# KiCad board st251_21020.kicad_pcb (continued)
## Routing (per net, layer and track width the routed paths; a pad name or vN(x,y) marks a point on that pad's centre or on a via; arc(x,y) is an arc through that point) (continued)
  Top w0.254: 3A1.31 13.59,41.66 17.14,38.1 23.62,38.1 24.38,38.86 v1(25.27,38.86) ; v1(26.03,26.29) 27.94,26.29 28.57,26.92 2B1.39
  Bottom w0.254: v1(26.03,26.29) 27.05,27.31 27.05,28.45 26.42,29.08 26.42,37.72 v1(25.27,38.86)
/Digital/PHI2: length 92.9
  Top w0.254: 2D1.6 59.82,31.12 v1(59.44,30.73) 60.32,29.84 62.1,29.84 62.48,30.23 68.71,30.23 69.6,29.34 71.88,29.34 72.01,29.21 2E1.9 ; 3A1.4 27.56,54.61 30.23,57.28 34.42,57.28 36.7,54.99 v1(36.7,50.8) 37.72,50.8 40.64,47.88 57.79,47.88 59.82,45.85 v1(59.82,45.47) ; 1D1.3 63.75,22.48 61.98,24.26 v1(61.34,24.26)
  Bottom w0.254: v1(61.34,24.26) 61.98,24.89 61.98,27.81 59.44,30.35 v1(59.44,30.73) 58.93,31.24 58.93,38.61 61.72,41.4 61.72,43.18 59.82,45.09 v1(59.82,45.47) ; R80.2 35.94,46.92 35.94,50.04 v1(36.7,50.8)
/Digital/R/~{W}: length 90.9
  Top w0.254: 2E1.10 73.28,29.11 72.59,29.8 69.9,29.8 68.96,30.73 v1(61.09,30.73) 2D1.5 ; v1(60.83,49.15) 60.58,49.15 59.18,50.55 41.78,50.55 39.62,52.71 39.62,56.26 34.54,61.34 26.67,61.34 v1(26.54,61.21) ; v1(23.11,56.13) 21.08,56.13 19.94,57.28 3A1.10
  Bottom w0.254: v1(26.54,61.21) 25.15,61.21 24,60.07 24,57.02 v1(23.11,56.13) ; v1(60.83,49.15) 60.83,45.21 62.48,43.56 62.48,41.02 59.82,38.35 59.82,32 v1(61.09,30.73)
/Digital/~{0100}: length 104.5
  Top w0.254: v1(50.42,27.31) 52.58,27.31 54.61,29.34 64.64,29.34 64.9,29.08 2D1.15 ; v1(49.02,110.74) 49.4,110.74 6C1.11
  Bottom w0.254: v1(49.02,110.74) 49.02,108.97 49.66,108.33 49.66,99.06 48.13,97.54 48.13,88.39 50.29,86.23 50.29,40.13 51.56,38.86 51.56,28.45 v1(50.42,27.31)
/Digital/~{0101}: length 11.1
  Top w0.254: v1(59.82,23.88) 61.21,22.48 1D1.5 ; v1(64.13,25.4) 64.13,25.53 63.63,26.04 2D1.14
  Bottom w0.254: v1(64.13,25.4) 64.13,24.51 62.87,23.25 60.45,23.25 v1(59.82,23.88)
/Digital/~{0105}: length 116.1
  Top w0.254: 2D1.10 58.55,26.54 58.04,26.04 56.39,26.04 55.75,26.67 v1(55.75,27.18) ; v1(51.94,90.81) 54.61,90.81 55.12,90.3 v1(57.91,90.3) ; 53.98,124.46 53.98,123.57 v1(55.12,122.43)
  Bottom w0.254: v1(55.12,122.43) 55.12,120.52 53.72,119.13 53.72,108.46 56.26,105.92 56.26,99.82 57.53,98.55 57.53,90.68 v1(57.91,90.3) ; v1(51.94,90.81) 52.83,89.92 52.83,63.12 59.18,56.77 59.18,53.98 57.28,52.07 57.28,39.75 56.71,39.18 56.71,28.13 v1(55.75,27.18)
/Digital/~{0107}: length 36.2
  Top w0.254: 2D1.7 58.55,31.75 58.17,31.37 57.79,31.37 57.77,31.36 53.58,31.36 50.42,28.19 49.66,28.19 49.28,27.81 49.28,26.42 44.7,21.84 35.81,21.84 ; 35.81,21.84 35.81,23.5 34.92,24.39 2B1.43 ; 35.81,21.84 v1(32,21.84)
/Digital/~{EMS}: length 158.9
  Top w0.254: 1D1.1 66.29,21.34 67.18,20.45 v1(67.82,20.45) ; v1(40.13,108.84) 38.86,107.57 37.59,107.57 35.12,105.1 6B1.11 ; v1(60.96,35.05) 62.36,33.66 2D1.4 ; v1(62.74,48.9) 62.74,49.28 61.72,50.29 60.32,50.29 59.56,51.05 42.16,51.05 40.26,52.96 40.26,57.4 v1(35.81,61.85) 35.18,62.48 v1(27.94,62.48) ; 3A1.12 17.4,57.53 20.57,54.36 v1(20.57,53.59)
  Bottom w0.254: v1(35.81,61.85) 35.81,69.72 38.86,72.77 38.86,107.57 v1(40.13,108.84) ; v1(62.74,48.9) 61.6,47.75 61.6,45.97 62.99,44.58 62.99,40.01 60.96,37.97 v1(60.96,35.05) 60.96,34.04 62.99,32 62.99,30.35 67.06,26.29 67.06,21.21 v1(67.82,20.45) ; v1(20.57,53.59) 24.13,53.59 28.07,57.53 28.07,62.36 v1(27.94,62.48)
/Digital/~{HALFSTEP}: length 21.3
  Top w0.254: 56.51,124.46 56.51,123.06 v1(57.15,122.43) ; v1(58.42,111.63) 56.9,111.63 56.51,111.25 6C1.16
  Bottom w0.254: v1(57.15,122.43) 57.15,120.4 55.5,118.75 55.5,111.12 56.13,110.49 57.28,110.49 v1(58.42,111.63)
/Digital/~{LATCHED_DIR}: length 26.8
  Top w0.254: 2B1.41 32.38,24.26 32,23.88 30.86,23.88 29.97,24.77 v1(27.81,24.77) ; v1(25.53,42.8) 25.53,44.32 3A1.40
  Bottom w0.254: v1(25.53,42.8) 25.53,41.66 27.18,40.01 27.18,29.21 27.81,28.58 v1(27.81,24.77)
/Digital/~{MCU_READY_OUT}: length 49.4
  Top w0.254: 3A1.32 14.86,44.96 15.88,45.97 21.34,45.97 v1(22.35,46.99) ; v1(38.48,28.07) 41.91,28.07 43.81,26.16 2B1.6
  Bottom w0.254: v1(38.48,28.07) 37.46,29.08 37.46,30.1 36.7,30.86 33.91,30.86 33.78,30.73 32.77,30.73 30.86,32.64 30.86,44.96 28.83,46.99 v1(22.35,46.99)
/Digital/~{MCU_TRK0_OUT}: length 33.4
  Top w0.254: v1(35.18,28.19) 36.45,26.92 41.78,26.92 42.54,26.16 2B1.5 ; v1(27.56,45.21) 27.05,45.72 3A1.41
  Bottom w0.254: v1(27.56,45.21) 27.94,45.21 28.07,45.34 28.96,45.34 30.1,44.2 30.1,32.13 32.77,29.46 34.04,29.46 35.18,28.32 v1(35.18,28.19)
/Digital/~{MCUSTEP}: length 34
  Top w0.254: 2B1.38 26.16,28.19 v1(25.78,27.81) ; 3A1.28 9.14,44.2 9.14,42.04 13.72,37.47 23.43,37.47 23.94,36.96 v1(25.4,36.96)
  Bottom w0.254: v1(25.4,36.96) 25.53,36.83 25.53,28.07 v1(25.78,27.81)
/Digital/~{RECOVERY_MODE}: length 66.9
  Top w0.254: v1(56.64,19.94) 56.64,18.42 58.17,16.89 1D1.8 ; 3A1.39 24.13,42.8 25.02,41.91 26.67,41.91 30.1,45.34 49.28,45.34 50.55,46.61 55.37,46.61 v1(56.39,45.59)
  Bottom w0.254: v1(56.64,19.94) 56.39,19.94 54.61,21.72 54.61,28.32 55.75,29.46 55.75,40.01 56.39,40.64 v1(56.39,45.59)
ALL_PHASES_ON: length 36.8
  Top w0.254: 7E1.15 76.07,123.65 76.07,117.86 v1(75.18,116.97) ; v1(68.58,110.49) 63.75,115.32 63.75,119 61.98,120.78 56.9,120.78 56.51,120.4 6C1.5
  Bottom w0.254: v1(75.18,116.97) 68.71,110.49 v1(68.58,110.49)
CS_: length 83.8
  Top w0.254: v1(59.56,116.71) 60.32,117.48 6C1.2 ; v1(84.58,146.94) 83.95,147.57 8F1.4 ; v1(58.55,102.24) 59.05,102.74 66.29,102.74 v1(66.8,102.24)
  Bottom w0.254: v1(84.58,146.94) 83.95,146.3 83.95,142.49 82.68,141.22 82.68,135.25 77.6,130.18 77.6,119.89 75.95,118.24 74.8,118.24 66.8,110.24 v1(66.8,102.24) ; v1(59.56,116.71) 59.56,115.57 61.09,114.05 61.09,111.63 59.56,110.11 59.56,103.25 v1(58.55,102.24)
DC_UNSAFE: length 174.1
  Top w0.254: 6A1.40 25.15,115.44 v1(25.53,115.82) ; v1(41.47,35.75) 40.64,36.58 31.37,36.58 30.86,37.08 2B1.31 ; v1(41.4,52.96) 42.54,51.82 59.94,51.82 60.83,50.93 65.28,50.93 v1(65.91,50.29) ; v1(45.21,99.06) 45.21,98.55 41.53,94.87 31.24,94.87 v1(28.7,92.33)
  Bottom w0.254: v1(28.7,92.33) 31.12,94.74 31.12,109.6 30.61,110.11 30.61,115.32 30.35,115.57 27.43,115.57 27.18,115.82 v1(25.53,115.82) ; v1(65.91,50.29) 67.94,50.29 76.96,41.28 76.96,39.88 ; v1(45.21,99.06) 45.21,98.81 46.48,97.54 46.48,54.86 44.58,52.96 v1(41.4,52.96) 41.4,35.81 v1(41.47,35.75)
DRVSEL_OUT: length 39.1
  Top w0.254: 2B1.9 44.07,29.46 43.43,30.1 36.32,30.1 v1(36.2,29.97) ; v1(33.27,17.4) 33.27,16.76 26.54,10.03 J2.1
  Bottom w0.254: v1(33.27,17.4) 33.27,18.03 33.15,18.16 33.15,23.88 36.7,27.43 36.7,29.46 v1(36.2,29.97)
HALL: length 102.9
  Top w0.254: v1(91.57,34.67) 92.07,34.67 93.47,33.27 93.47,31.37 93.6,31.24 98.55,31.24 2F1.2 ; v1(82.04,49.53) 81.79,49.78 68.96,49.78 63.63,44.45 59.44,44.45 56.64,47.24 39.24,47.24 v1(38.99,47.5) ; 2B1.34 31.75,33.27 v1(33.15,31.88)
  Bottom w0.254: v1(38.99,47.5) 38.99,45.47 39.5,44.96 39.5,37.21 37.85,35.56 35.69,35.56 35.43,35.31 35.43,32.64 34.8,32 33.27,32 v1(33.15,31.88) ; v1(82.04,49.53) 82.17,49.4 84.96,49.4 89.92,44.45 89.92,36.96 91.57,35.31 v1(91.57,34.67)
INDEX_OUT: length 73.7
  Top w0.254: 2B1.12 43.69,33.27 43.05,32.64 41.02,32.64 40.39,32 v1(39.62,32) ; v1(53.47,20.32) 51.18,20.32 50.16,19.3 v1(48.39,19.3) ; v1(82.42,11.68) 77.34,11.68 v1(77.22,11.56)
  Bottom w0.254: v1(48.39,19.3) 48.39,25.02 46.1,27.31 42.93,27.31 39.62,30.61 v1(39.62,32) ; v1(77.22,11.56) 76.33,11.56 74.42,9.65 72.77,9.65 70.23,12.19 65.15,12.19 63.75,13.59 59.18,13.59 58.55,14.22 58.55,17.4 57.79,18.16 55.63,18.16 v1(53.47,20.32) ; J1.20 80.52,9.78 v1(82.42,11.68)
LIFE_TEST: length 54.8
  Top w0.254: v1(22.35,45.09) 22.48,44.96 3A1.38
  Bottom w0.254: v1(22.35,45.09) 25.02,45.09 27.43,42.67 27.43,41.15 27.94,40.64 27.94,29.59 30.73,26.8 30.73,17.02 30.99,16.76 30.99,13.59 31.75,12.83 44.2,12.83 J7.10
MTA+: length 80.5
  Top w0.2: 108.33,175.26 105.79,175.26 105.41,175.64 104.27,175.64 v1(102.36,173.74)
  Top w0.254: 7C1.1 63.75,133.86 63.88,133.73 66.93,133.73 67.31,134.11 67.31,135.38 67.06,135.64 7E1.5 65.28,135.64 64.26,136.65 64.26,137.54 63.63,138.18 v1(63.63,138.3)
  Bottom w0.2: v1(102.36,173.74) 102.36,168.66 97.79,164.08 81.91,164.08 78.87,161.04 78.87,157.86 73.79,152.78 73.79,148.34 63.75,138.3 v1(63.63,138.3)
MTA-: length 104.6
  Top w0.2: v1(103.89,189.61) 103.89,186.69 106.43,184.15 11F1.19
  Top w0.254: 7C1.2 60.32,134.87 60.96,135.51 62.61,135.51 v1(62.99,135.13) 63.88,135.13 64.64,134.37 7E1.6
  Bottom w0.2: v1(103.89,189.61) 101.09,189.61 98.55,187.07 98.55,175.64 99.19,175.01 102.74,175.01 103.63,174.12 103.63,168.66 98.55,163.58 82.42,163.58 79.5,160.66 79.5,157.48 74.42,152.4 74.42,147.96 70.99,144.53 70.99,143.51 64.01,136.53 64.01,136.14 v1(62.99,135.13)
MTB+: length 106.1
  Top w0.254: 7C1.4 57.79,132.97 58.29,132.46 62.61,132.46 v1(62.99,132.84) 63.12,132.97 65.79,132.97 7E1.7 ; 10H1.12 v1(120.14,161.04)
  Bottom w0.254: v1(120.14,161.04) 120.14,158.5 120.78,157.86 120.78,156.59 119.25,155.07 119.25,152.4 118.11,151.26 112.14,151.26 111.63,151.77 101.73,151.77 101.35,152.15 100.33,152.15 99.82,151.64 98.55,151.64 97.79,152.4 92.33,152.4 90.04,150.11 88.9,150.11 88.14,149.35 84.33,149.35 82.68,147.7 82.68,143.89 81.41,142.62 81.41,140.21 75.06,133.86 75.06,128.27 73.41,126.62 72.64,126.62 72.14,127.13 65.66,127.13 65.28,126.75 61.21,126.75 60.45,127.51 60.45,130.3 v1(62.99,132.84)
MTB-: length 124
  Top w0.254: v1(100.08,148.84) 102.36,151.13 102.36,157.48 v1(102.62,157.73) ; v1(69.47,135.13) 69.47,134.62 66.68,131.83 7E1.8 57.28,131.83 56.51,132.59 7C1.5 ; 10H1.19 119.13,169.93 120.4,168.66 v1(123.95,168.66)
  Bottom w0.254: v1(102.62,157.73) 87.12,157.73 86.49,157.1 84.07,157.1 78.23,151.26 78.23,146.69 76.96,145.42 76.96,144.15 69.47,136.65 v1(69.47,135.13) ; v1(100.08,148.84) 101.35,148.84 101.73,149.23 111.25,149.23 112.27,148.21 113.92,148.21 115.06,147.07 120.27,147.07 122.3,149.1 122.3,152.78 123.95,154.43 v1(123.95,168.66)
MTC+: length 61.1
  Top w0.254: 89.53,166.75 88.39,166.75 86.49,164.85 86.49,160.91 85.22,159.64 v1(85.22,159) ; 7C1.6 55.24,132.86 56.91,131.19 63.63,131.19 64.26,130.56 7E1.9 66.55,130.56 v1(68.33,132.33)
  Bottom w0.254: v1(68.33,132.33) 67.44,133.22 67.44,136.78 75.69,145.03 75.69,146.18 76.96,147.45 76.96,152.02 83.95,159 v1(85.22,159)
MTC-: length 59.1
  Top w0.254: v1(87.12,159) 87.12,158.5 87.76,157.86 10F1.9 ; 7C1.7 53.98,133.22 56.9,130.3 63.5,130.3 64.52,129.29 7E1.10 67.56,129.29 v1(69.34,131.06)
  Bottom w0.254: v1(69.34,131.06) 69.34,133.48 68.07,134.75 68.07,136.53 76.33,144.78 76.33,145.8 77.6,147.07 77.6,151.51 83.82,157.73 85.85,157.73 v1(87.12,159)
MTD+: length 98.6
  Top w0.2: v1(80.77,165.99) 80.77,155.19 82.68,153.29 v1(83.31,153.29) ; 7C1.8 52.71,132.97 55.88,129.79 63.12,129.79 65.02,127.89 67.31,127.89 v1(67.69,128.27) ; 11F1.2 97.79,184.15 97.28,183.64 97.28,180.34 92.2,175.26 92.2,167.26 v1(91.57,166.62)
  Bottom w0.2: v1(67.69,128.27) 67.82,128.14 70.74,128.14 71.88,129.29 71.88,136.84 78.23,143.19 78.23,144.78 79.5,146.05 79.5,150.5 82.3,153.29 v1(83.31,153.29) ; v1(91.57,166.62) 90.93,165.99 v1(80.77,165.99)
MTD-: length 104.3
  Top w0.2: v1(101.09,176.28) 100.08,175.26 11F1.9 ; v1(69.22,129.29) 69.22,128.52 67.44,126.75 65.02,126.75 62.61,129.16 55.37,129.16 51.43,133.1 7C1.9
  Bottom w0.2: v1(69.22,129.29) 70.1,129.29 71.12,130.3 71.12,137.16 77.6,143.64 77.6,145.03 78.87,146.3 78.87,150.75 84.58,156.46 87,156.46 87.63,157.1 101.6,157.1 102.11,156.59 102.87,156.59 103.5,157.23 103.5,162.81 106.93,166.24 106.93,174.62 105.28,176.28 v1(101.09,176.28)
MTE+: length 82.5
  Top w0.254: 10F1.12 97.93,157.86 96.9,158.89 v1(96.9,161.54) ; 7C1.11 50.16,125.86 52.58,128.27 v1(61.85,128.27) 62.48,128.27 65.28,125.48 7E1.13
  Bottom w0.254: v1(61.85,128.27) 61.85,128.02 66.17,132.33 66.17,136.78 71.88,142.49 71.88,144.78 75.69,148.59 75.69,152.78 80.14,157.23 80.14,159.77 83.19,162.81 95.63,162.81 v1(96.9,161.54)
MTE-: length 84.7
  Top w0.254: 7E1.14 64.9,124.21 64.26,124.84 64.26,125.48 62.36,127.38 58.42,127.38 57.79,126.75 v1(57.66,126.75) 52.96,126.75 51.43,125.22 7C1.12 ; 98.93,166.75 v1(97.03,166.75)
  Bottom w0.254: v1(57.66,126.75) 57.79,126.87 57.79,134.49 62.87,139.57 63.88,139.57 73.15,148.84 73.15,153.04 78.36,158.24 78.36,161.8 81.41,164.85 95.12,164.85 v1(97.03,166.75)
READ_DATA: length 127.4
  Top w0.254: v1(36.26,31.81) 36.2,31.75 34.16,31.75 33.15,30.73 2B1.36 24.77,30.73 23.49,32 14.73,32 4.06,42.67 4.06,47.24 5.97,49.15 5.97,52.96 5.46,53.47 5.46,60.83 7.24,62.61 7.24,81.53 9.02,83.31 9.02,105.03 8.38,105.66 5.33,105.66 v1(5.21,105.79) ; 6A1.24 v1(4.45,120.52)
  Bottom w0.254: v1(36.26,31.81) 36.9,32.45 R35.2 ; v1(5.21,105.79) 4.06,106.93 4.06,116.08 4.95,116.97 4.95,120.02 v1(4.45,120.52)
READY_OUT: length 79.2
  Top w0.254: v1(79.63,39.62) 79.38,39.37 74.93,39.37 73.28,37.72 70.1,37.72 69.85,37.97 58.17,37.97 49.78,29.59 48.77,29.59 46.1,26.92 2B1.7
  Bottom w0.254: v1(79.63,39.62) 79.63,37.85 83.69,33.78 83.69,24.38 84.2,23.88 84.2,14.35 83.44,13.59 82.8,13.59 77.98,8.76 J1.22
RECOVERY_MODE: length 13.5
  Top w0.254: 1D1.9 59.94,17.4 57.66,19.69 57.66,20.38 57.28,20.76 56.32,20.76 54.86,19.3 v1(52.2,19.3)
  Bottom w0.254: J7.13 52.2,18.29 v1(52.2,19.3)
RING: length 167.1
  Top w0.254: 3A1.30 12.32,44.58 v1(13.34,45.59) ; v1(87.25,150.37) 86.87,150.75 84.07,150.75 82.17,152.65 80.26,152.65 78.23,150.62 78.23,143.76 76.96,142.49 76.96,113.92 v1(76.07,113.03) ; v1(89.53,151.51) 90.04,151.51 90.17,151.38 8F1.24 ; v1(29.34,82.8) 30.73,82.8 34.04,86.11 45.34,86.11 52.83,93.6 60.71,93.6 62.74,95.63 v1(66.93,95.63)
  Bottom w0.254: v1(89.53,151.51) 88.26,151.51 87.25,150.5 v1(87.25,150.37) ; v1(29.34,82.8) 28.7,82.17 28.7,65.91 27.18,64.39 24.26,64.39 22.1,62.23 22.1,58.8 18.54,55.25 18.54,51.82 13.34,46.61 v1(13.34,45.59) ; v1(66.93,95.63) 66.93,99.57 69.34,101.98 69.34,107.44 74.93,113.03 v1(76.07,113.03)
RIWR1: length 57.2
  Top w0.254: 10E1.2 62.74,164.47 61.72,163.45 61.72,151.13 62.99,149.86 v1(65.02,149.86) ; 6C1.9 51.43,120.52 50.29,121.67 v1(49.02,121.67)
  Bottom w0.254: v1(65.02,149.86) 65.02,149.23 65.15,149.1 65.15,148.21 53.47,136.53 53.47,127.64 49.02,123.19 v1(49.02,121.67)
RIWR2: length 48.5
  Top w0.254: 6C1.6 55.24,119.89 54.23,120.9 52.83,120.9 v1(52.2,121.54) ; 10E1.13 71.88,156.85 70.87,155.83 70.87,151.38 v1(70.23,150.75)
  Bottom w0.254: v1(52.2,121.54) 52.2,123.57 55.37,126.75 55.37,135.38 68.58,148.59 68.58,149.1 v1(70.23,150.75)
S1: length 139.8
  Top w0.254: 3A1.37 21.21,41.53 v1(20.32,40.64) ; v1(49.66,129.03) 48.51,130.18 48.51,134.49 56.51,142.49 66.29,142.49 67.44,141.35 67.44,139.95 66.93,139.45 7E1.2
  Bottom w0.254: v1(20.32,40.64) 21.08,41.4 21.08,45.34 20.45,45.97 20.45,48.51 23.62,51.69 24.77,51.69 31.88,58.8 31.88,78.49 33.78,80.39 33.78,108.33 34.42,108.97 34.42,115.82 36.07,117.48 39.24,117.48 40.13,118.36 40.13,122.3 42.54,124.71 45.72,124.71 49.66,128.65 v1(49.66,129.03)
S2: length 138.1
  Top w0.254: 3A1.36 v1(19.94,44.96) ; 7E1.3 67.06,138.18 68.07,139.19 68.07,141.99 66.93,143.13 56.13,143.13 47.75,134.75 47.75,132.21 44.96,129.41 44.96,127.38 41.02,123.44 v1(37.59,123.44)
  Bottom w0.254: v1(37.59,123.44) 38.23,122.81 38.23,121.67 37.08,120.52 34.54,120.52 33.66,119.63 33.66,109.35 33.15,108.84 33.15,80.9 31.24,78.99 31.24,58.93 24.64,52.32 23.11,52.32 19.81,49.02 19.81,45.72 19.94,45.59 v1(19.94,44.96)
S3: length 147.9
  Top w0.254: 3A1.35 v1(18.67,40.64) ; 7E1.4 67.06,136.91 68.71,138.56 68.71,142.62 67.56,143.76 55.37,143.76 47.24,135.64 47.24,132.97 43.43,129.16 43.43,126.94 41.47,124.97 36.58,124.97 v1(35.69,124.08)
  Bottom w0.254: v1(18.67,40.64) 18.54,40.77 18.54,45.85 19.18,46.48 19.18,49.78 22.35,52.96 24.38,52.96 30.48,59.06 30.48,79.63 32.51,81.66 32.51,109.35 33.15,109.98 33.15,120.4 33.91,121.16 35.81,121.16 36.58,121.92 36.58,123.19 v1(35.69,124.08)
SEEK_COMP: length 97.3
  Top w0.254: 2B1.11 46.74,32 48.39,33.66 50.42,33.66 56.77,40.01 67.56,40.01 68.96,41.4 68.96,44.26 69.91,45.21 87.12,45.21 v1(87.25,45.09)
  Bottom w0.254: J1.8 95.76,10.29 96.39,10.92 96.39,14.22 99.82,17.65 99.82,19.43 96.77,22.48 94.49,22.48 91.57,25.4 91.57,31.88 88.9,34.54 88.9,43.43 v1(87.25,45.09)
SERIAL_CLOCK: length 166.3
  Top w0.254: v1(12.57,40.51) 11.68,40.51 11.05,41.15 3A1.29 ; v1(65.53,101.35) 65.09,101.35 64.45,101.98 60.32,101.98 59.56,101.22 53.09,101.22 43.56,91.69 32.89,91.69 30.1,88.9 30.1,85.98 v1(28.83,84.71) ; 8F1.3 85.22,148.84 v1(85.85,148.21)
  Bottom w0.254: v1(12.57,40.51) 11.56,41.53 11.56,43.56 10.41,44.7 10.41,45.97 11.05,46.61 12.19,46.61 17.91,52.32 17.91,55.63 21.46,59.18 21.46,62.87 23.62,65.02 26.8,65.02 28.07,66.29 28.07,83.95 v1(28.83,84.71) ; v1(65.53,101.35) 65.15,101.73 65.15,109.86 74.55,119.25 75.82,119.25 76.96,120.4 76.96,130.43 82.04,135.51 82.04,141.99 83.31,143.26 83.31,147.32 84.2,148.21 v1(85.85,148.21)
SERIAL_DATA: length 159.6
  Top w0.254: v1(79.5,135) 78.23,136.27 78.23,142.49 78.87,143.13 78.87,148.97 80.01,150.11 8F1.2 ; v1(11.56,45.09) 10.92,45.72 3A1.27 ; v1(30.61,84.71) 30.61,88.39 33.27,91.06 44.2,91.06 53.21,100.08 59.31,100.08 60.2,100.97 v1(61.09,100.97)
  Bottom w0.254: v1(61.09,100.97) 61.34,101.22 61.34,108.01 63.63,110.3 63.63,118.62 65.02,120.02 75.56,120.02 76.33,120.78 76.33,131.83 v1(79.5,135) ; v1(11.56,45.09) 11.94,45.09 12.7,44.32 14.35,44.32 14.99,44.96 14.99,47.37 19.18,51.56 19.18,54.86 22.73,58.42 22.73,61.72 24.77,63.75 27.69,63.75 29.34,65.41 29.34,81.03 30.48,82.17 30.48,84.58 v1(30.61,84.71)
SYS_CLOCK: length 247.1
  Top w0.254: 8F1.1 82.3,151.38 84.07,149.61 86.11,149.61 88.76,146.95 v1(88.76,146.94) ; v1(49.02,34.8) 50.55,34.8 56.39,40.64 67.31,40.64 68.2,41.53 68.2,44.45 69.6,45.85 83.82,45.85 86.49,48.51 86.49,57.91 v1(87.38,58.8) ; v1(52.83,22.23) 51.43,22.23 v1(49.78,20.57) ; v1(88.52,91.19) v1(103.89,91.19) 104.01,91.31 4H1.6 ; v1(60.58,19.05) 62.48,20.96 1D1.4 ; v1(99.31,121.92) 99.31,122.05 100.71,123.44 100.71,125.22 v1(101.09,125.6) ; 2B1.37 30.1,29.46 30.73,30.1 33.53,30.1 34.42,30.99 36.2,30.99 36.45,30.73 40.51,30.73 v1(41.4,31.62)
  Bottom w0.254: 49.02,33.53 v1(49.02,34.8) 49.02,32.13 ; 49.02,32.13 49.02,26.16 49.78,25.4 v1(49.78,20.57) ; 49.02,32.13 47.62,32.13 45.85,30.35 42.29,30.35 41.4,31.24 v1(41.4,31.62) ; v1(99.31,121.92) 99.31,118.36 99.82,117.86 101.09,117.86 103,115.95 103,112.52 101.47,111 v1(101.47,100.08) 101.47,93.85 103.89,91.44 v1(103.89,91.19) ; v1(60.58,19.05) 60.32,18.8 56.01,18.8 54.48,20.32 54.48,20.7 52.96,22.23 v1(52.83,22.23) ; v1(87.38,58.8) 88.52,59.94 v1(88.52,91.19) ; v1(101.09,125.6) 99.57,127.13 99.57,134.49 97.03,137.03 97.03,146.43 96.27,147.19 89.01,147.19 v1(88.76,146.94)
TRK0_OUT: length 92.5
  Top w0.254: 2B1.8 45.97,28.19 47.12,29.34 47.12,31.37 48.64,32.89 50.55,32.89 57.15,39.5 68.07,39.5 69.72,41.15 69.72,44.07 70.23,44.58 84.2,44.58 v1(85.22,43.56)
  Bottom w0.254: J1.10 93.22,8.89 91.69,10.41 90.42,10.41 87.76,13.08 87.76,25.53 86.74,26.54 86.74,36.83 85.22,38.35 v1(85.22,43.56)
VAA: length 130.6
  Top w0.508: v1(110.49,159.64) 108.58,159.64 10H1.10 ; 11F1.10 95.38,173.99 94.49,173.1 94.49,170.99 C56.1 94.36,170.51 94.36,157.48 94.74,157.1 v1(94.74,155.96) ; v1(110.87,154.05) 110.43,154.05 108.05,156.43 C61.1 106.43,156.85 v1(105.54,157.73) ; C63.1 126.36,153.43 v1(126.36,151.51) 117.35,151.51 v1(116.2,152.65) ; v1(126.75,140.08) 126.75,141.5 Q2.3 ; CR1.1 129.29,121.54 125.35,125.48 125.35,126.62 124.84,127.13 CR7.1 124.59,130.18 v1(124.59,134.75) 124.33,134.49 118.62,134.49 114.68,130.56 v1(112.52,130.56) ; 10F1.10 90.93,156.59 v1(91.57,155.96)
  Bottom w0.508: v1(91.57,155.96) 103.76,155.96 v1(105.54,157.73) 107.44,159.64 v1(110.49,159.64) ; v1(124.59,134.75) 126.75,136.91 v1(126.75,140.08) 126.75,151.13 v1(126.36,151.51) 127.51,151.51 ; v1(112.52,130.56) 111.25,130.56 110.74,130.05 110.74,128.33 R52.1 110.68,127 111.25,127 112.9,125.35 112.9,121.6 112.59,121.29
  vias: v1(117.86,153.8)
WRT_OK: length 162.9
  Top w0.254: v1(29.34,63.75) v1(33.91,63.75) ; 36.19,25.27 36.19,26.04 35.31,26.92 34.16,26.92 v1(33.53,27.56) ; v1(6.1,109.73) 8.51,107.32 23.24,107.32 24.89,108.97 24.89,109.98 25.78,110.87 26.8,110.87 28.45,109.22 30.23,109.22 32,111 v1(32,112.01) ; v1(9.52,117.48) 9.52,125.73 11.05,127.25 6A1.15
  Bottom w0.254: v1(6.1,109.73) 5.33,110.49 5.33,114.94 7.87,117.48 v1(9.52,117.48) ; v1(29.34,63.75) 29.97,64.39 29.97,80.39 31.88,82.3 31.88,111.89 v1(32,112.01) ; v1(33.91,63.75) 33.91,59.82 25.15,51.05 24.38,51.05 21.15,47.82 21.15,46.74 21.91,45.97 25.27,45.97 27.43,43.82 28.57,43.82 29.34,43.05 29.34,31.62 33.4,27.56 v1(33.53,27.56)
WRTFLT_OUT: length 109.5
  Top w0.254: 2B1.10 43.94,30.73 v1(43.05,31.62) ; v1(73.91,50.93) 73.03,51.82 61.02,51.82 60.01,52.83 46.61,52.83 v1(46.48,52.71)
  Bottom w0.254: v1(46.48,52.71) 48.51,50.67 48.51,35.94 47.88,35.31 47.88,34.29 45.09,31.5 43.18,31.5 v1(43.05,31.62) ; J1.12 90.68,8.89 87.12,12.45 87.12,25.02 86.11,26.04 86.11,36.07 82.8,39.37 82.8,42.04 v1(73.91,50.93)
~{0106}: length 55.2
  Top w0.254: 1F1.3 97.28,20.83 96.52,20.07 88.65,20.07 88.26,20.45 83.44,20.45 82.55,21.34 82.55,25.15 81.66,26.04 78.49,26.04 77.22,24.77 75.7,24.77 74.94,25.53 67.82,25.53 66.8,24.51 63.5,24.51 62.36,25.65 58.8,25.65 58.55,25.4 56.01,25.4 54.86,26.54 54.86,27.81 55.5,28.45 56.77,28.45 57.28,27.94 2D1.9
~{DIR}: length 93
  Top w0.254: v1(42.04,34.04) 41.78,34.04 40.01,35.81 2B1.32 ; v1(46.23,42.42) 48.26,42.42 49.4,41.28 v1(54.36,41.28)
  Bottom w0.254: v1(46.23,42.42) 46.23,35.43 44.83,34.04 v1(42.04,34.04) ; RN1.2 57.91,55.63 55.24,52.96 55.24,42.16 v1(54.36,41.28) 54.1,41.02 54.1,29.34 53.47,28.7 53.47,25.4 51.82,23.75 51.82,20.83 54.99,17.65 56.39,17.65 57.28,16.76 57.28,14.22 58.55,12.95 59.44,12.95 60.45,11.94 60.45,10.92 62.74,8.64 62.74,4.95
~{DRV_SEL}: length 226.3
  Top w0.254: v1(25.91,109.6) 25.91,108.71 23.75,106.55 6.35,106.55 v1(5.33,107.57) ; v1(4.57,124.08) 4.83,124.33 6A1.21 ; v1(43.31,84.71) 33.91,84.71 30.86,81.66 28.83,81.66 28.19,82.3 28.19,84.07 27.3,84.96 27.3,92.71 v1(28.83,94.23) ; 1E1.9 71.88,14.86 v1(71.37,14.35) ; v1(45.47,25.02) 43.94,23.5 41.86,23.5 41.27,24.08 41.27,25.27 ; v1(73.15,10.54) 72.9,10.29 69.85,10.29 66.93,13.21 54.74,13.21 J7.16
  Top w0.508: 1E1.10 1E1.9
  Bottom w0.254: 43.43,21.34 45.09,21.34 47.12,19.3 47.12,16.26 47.62,15.75 52.2,15.75 J7.16 ; 43.43,21.34 40.51,18.42 37.85,18.42 36.96,17.53 36.96,16 36.7,15.75 32.96,15.75 R10.1 ; 43.43,21.34 43.43,25.02 ; v1(28.83,94.23) 29.21,94.62 29.21,104.52 28.19,105.54 26.16,105.54 25.27,106.43 25.27,108.97 v1(25.91,109.6) ; v1(5.33,107.57) 4.7,108.2 4.7,115.7 5.71,116.71 5.71,122.17 4.57,123.32 v1(4.57,124.08) ; v1(73.15,10.54) 73.15,10.8 71.37,12.57 v1(71.37,14.35) ; 43.43,25.02 38.23,30.23 38.23,33.91 40.13,35.81 40.13,54.23 43.31,57.4 v1(43.31,84.71) ; 43.43,25.02 v1(45.47,25.02)
~{INDEX_SYNC}: length 247.9
  Top w0.254: v1(94.11,34.93) 94.87,34.93 96.01,33.78 2F1.4 ; 6C1.19 60.32,106.93 59.05,105.66 v1(57.79,105.66) ; 89.66,42.8 89.79,42.67 92.2,42.67 v1(92.33,42.8) ; 89.66,42.8 89.66,51.18 90.17,51.69 90.17,52.83 89.66,53.34 v1(89.66,58.67) ; 89.66,42.8 89.53,42.67 83.88,42.67 82.74,43.82 70.74,43.82 70.23,43.31 70.23,40.64 68.33,38.74 57.47,38.74 50.48,31.75 v1(50.42,31.75) 49.02,30.35 v1(48.13,30.35) ; v1(89.66,89.92) 106.49,89.92 107.63,88.77 4H1.8 ; v1(42.8,29.21) 42.54,29.46 37.97,29.46 37.59,29.08 31.75,29.08 31.11,28.45 31.11,25.27 ; v1(47.75,82.8) 53.85,88.9 58.93,88.9 59.56,89.54 v1(59.56,90.81)
  Bottom w0.254: v1(57.79,105.66) 57.02,104.9 57.02,99.95 58.29,98.68 58.29,92.08 v1(59.56,90.81) ; v1(48.13,30.35) 46.74,28.96 43.05,28.96 v1(42.8,29.21) ; v1(50.42,31.75) 50.42,37.47 49.53,38.35 49.53,52.45 47.75,54.23 v1(47.75,82.8) ; v1(89.66,58.67) v1(89.66,89.92) ; v1(92.33,42.8) 92.33,42.67 94.74,40.26 94.74,35.56 v1(94.11,34.93)
~{RESET}: length 273.7
  Top w0.254: 3A1.21 11.3,53.34 11.81,52.83 11.81,51.44 14.73,48.51 v1(17.91,48.51) ; 99.82,21.89 99.82,20.32 99.11,19.61 88.34,19.61 88.14,19.81 83.06,19.81 81.66,21.21 81.66,25.02 81.41,25.27 78.79,25.27 77.47,23.95 77.42,24 75.82,24 74.8,25.02 68.45,25.02 67.31,23.88 63.37,23.88 62.1,25.15 59.18,25.15 58.8,24.77 54.99,24.77 54.1,25.65 v1(51.05,25.65) 49.85,25.65 45.28,21.08 33.78,21.08 33.27,20.57 24.77,20.57 v1(21.21,24.13) ; 6C1.1 v1(61.6,115.82) 58.93,115.82 57.91,116.84 55.12,116.84 52.58,114.3 v1(49.66,114.3) ; v1(20.45,34.54) 22.23,34.54 24.77,32 2B1.35
  Bottom w0.254: v1(49.66,114.3) 50.29,113.67 50.29,98.81 49.02,97.54 49.02,91.69 52.2,88.52 52.2,44.7 52.83,44.07 52.83,42.16 52.2,41.53 52.2,26.8 v1(51.05,25.65) ; JP4.1 65.66,125.48 65.28,125.86 60.83,125.86 60.32,125.35 60.26,125.35 60.26,124.78 62.36,122.68 62.36,121.16 61.47,120.27 61.47,115.95 v1(61.6,115.82) ; 20.45,29.34 20.45,24.89 v1(21.21,24.13) ; 20.45,29.34 17.27,29.34 15.37,31.24 15.37,35.69 16,36.32 16,46.61 v1(17.91,48.51) ; 20.45,29.34 v1(20.45,34.54)
~{RETRACT}: length 122.2
  Top w0.254: v1(87.57,95.69) 86.49,96.77 86.49,105.16 v1(87.76,106.43) ; v1(61.85,136.53) 60.32,136.53 59.05,135.25 7C1.3 ; v1(69.34,95.63) 68.07,94.36 63.25,94.36 61.34,92.46 v1(59.82,92.46) ; 7F1.9 92.33,124.72 v1(90.93,123.32)
  Bottom w0.254: v1(61.85,136.53) 58.93,133.6 58.93,126.11 56.01,123.19 56.01,120.08 54.36,118.43 54.36,109.35 56.77,106.93 58.17,106.93 58.93,106.17 58.93,104.01 57.66,102.74 57.66,100.2 59.05,98.81 59.05,93.22 v1(59.82,92.46) ; v1(87.76,106.43) 85.22,108.97 85.22,122.56 85.98,123.32 v1(90.93,123.32) ; v1(87.57,95.69) 87.38,95.5 69.47,95.5 v1(69.34,95.63)
